# KiCad board chocofly_roundtracks_filledzones.kicad_pcb (continued)
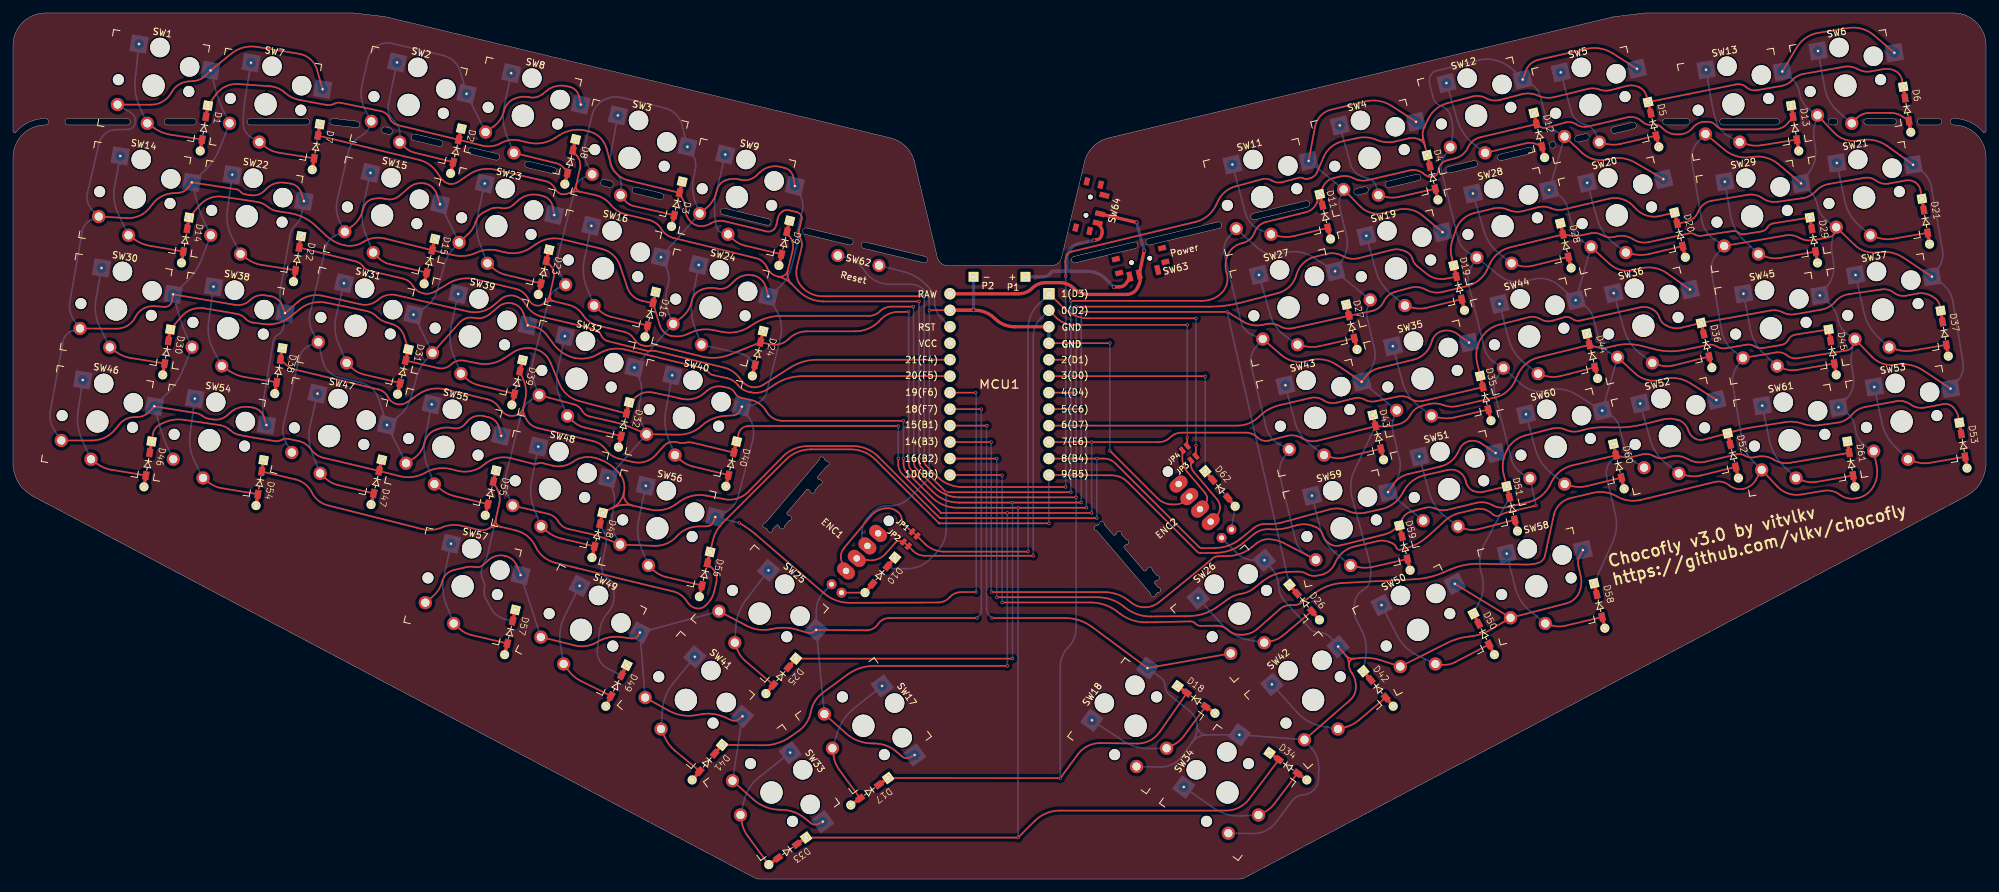
[diagram p0: board, top side]
## Routing (per net, layer and track width the routed paths; a pad name or vN(x,y) marks a point on that pad's centre or on a via; arc(x,y) is an arc through that point) (continued)
col3: length 226.2
  Top w0.25: v1(149.2,72.43) MCU1.17 ; SW41.2 111.87,24.64 arc(111.31,24.4) 110.71,24.48 109.63,24.96 arc(107.89,25.44) 106.08,25.4 105.22,25.25 arc(103.05,25.25) 100.99,25.98 SW41.2 ; SW25.2 113.06,39.03 arc(114.95,38.44) 116.92,38.54 arc(118.93,38.74) 120.93,38.41 122.44,37.95 arc(122.91,37.92) 123.35,38.1 SW25.2 131.5,38.34 arc(132.5,38.58) 133.27,39.28 arc(134.03,39.98) 135.03,40.23 v1(148.51,40.23) ; SW17.2 138.25,18.77 arc(137.6,18.64) 136.98,18.9 136.12,19.64 arc(134.55,20.56) 132.76,20.9 132.32,20.9 arc(130.2,21.31) 128.36,22.44 SW17.2 ; SW49.2 96.27,37.5 arc(95.88,37.15) 95.36,37.08 93.59,37.31 arc(91.76,37.24) 90.07,36.55 arc(88.38,35.93) 86.59,36 SW49.2 ; SW57.2 77.7,48.18 arc(76.96,49.24) 75.8,49.82 75.76,49.82 arc(74.42,49.79) 73.25,49.15 72.48,48.43 arc(71.89,48.11) 71.23,48.08 arc(70.51,48.15) 69.8,48.06 67.96,47.64 arc(66.81,47.01) 66.14,45.88 66.13,45.84 arc(65.56,44.57) 64.64,43.53 SW57.2 ; SW33.2 114.09,12.25 arc(115.93,11.12) 118.05,10.69 118.46,10.68 arc(120.31,10.33) 121.96,9.4 122.93,8.63 arc(123.51,8.39) 124.13,8.51 SW33.2
  Bottom w0.25: SW17.2 SW25.2 123.77,41.4 arc(124.08,42.95) 124.95,44.26 ENC1.S2 ; SW57.2 SW49.2 ; v1(148.51,40.23) 148.86,40.58 arc(149.11,40.96) 149.2,41.41 149.2,72.43 ; SW41.2 SW49.2 SW25.2 ; SW33.2 SW41.2
col4: length 246.4
  Top w0.25: SW42.2 206.01,27.57 arc(206.71,28.53) 206.91,29.7 206.88,30.12 arc(206.72,30.95) 206.33,31.69 206.25,31.79 arc(205.94,32.43) 205.84,33.14 ; SW26.2 SW18.2 166.24,38.87 arc(164.29,39.88) 162.12,40.23 v1(150.83,40.23) ; SW58.2 SW50.2 ; SW58.2 227.71,38.47 arc(226.11,37.74) 224.39,37.38 arc(222.65,37.05) 221,36.4 SW50.2 210.64,33.75 arc(209.07,34.08) 207.47,34.07 206.59,33.97 ; SW58.2 239.34,42.49 arc(240.48,43.08) 241.27,44.09 arc(241.63,45.37) 241.55,46.7 241.19,48.28 arc(241.16,49.13) 241.44,49.94 SW58.2 ; 206.59,33.97 arc(205.92,34.06) 205.37,34.45 ; 206.59,33.97 arc(206.06,33.7) 205.84,33.14 ; 205.37,34.45 SW42.2 ; 205.37,34.45 arc(205.72,33.84) 205.84,33.14 ; v1(150.06,69.89) MCU1.16
  Bottom w0.25: v1(150.83,40.23) 150.42,40.65 arc(150.11,41.11) 150,41.65 150,69.89 ; SW18.2 176.83,31.05 arc(177.32,30.49) 177.5,29.77 arc(177.67,29.04) 178.13,28.45 181.38,25.82 arc(182.18,24.82) 182.47,23.58 ; SW18.2 176.7,17.26 arc(178.67,17.7) 180.2,19 181.69,21.09 ; ENC2.S2 188.55,50.26 arc(189.78,49.43) 191.24,49.14 SW26.2 193.95,47.85 arc(194.69,46.65) 194.99,45.26 arc(195.29,43.89) 196.05,42.7 199.81,38.63 arc(200.54,38.12) 201.42,37.94 arc(202.28,37.76) 202.99,37.23 SW42.2 ; SW34.2 191.09,7.01 arc(193.06,7.47) 194.62,8.77 197.04,12.02 arc(197.79,12.68) 198.75,12.97 198.85,12.98 arc(199.73,13.23) 200.47,13.78 arc(200.97,14.56) 201.15,15.46 201.19,17.09 arc(200.92,18.71) 200.11,20.15 SW42.2 SW34.2 183.87,22.21 ; 183.87,22.21 arc(182.89,22.61) 182.47,23.58 ; 183.87,22.21 arc(182.65,21.91) 181.69,21.09 ; 181.69,21.09 arc(182.28,22.27) 182.47,23.58
col5: length 327.1
  Top w0.25: SW4.2 207.55,103.71 arc(209.24,102.7) 211.21,102.65 213.33,103.17 arc(215.37,103.18) 217.2,102.27 SW19.2 ; SW35.2 222.56,84.01 arc(221.5,84.49) 220.34,84.5 arc(219.33,84.01) 218.69,83.09 218.44,82.39 arc(217.42,80.9) 215.82,80.06 210.4,78.74 arc(209.37,78.31) 208.53,77.57 SW43.2 203.99,79.25 arc(202.05,80.04) 199.95,79.99 199.28,79.83 arc(197.26,79.83) 195.45,80.75 SW27.2 ; SW51.2 226.23,67.16 arc(225.35,67.52) 224.41,67.5 arc(223.56,67.11) 222.96,66.39 222.58,65.65 arc(221.48,64.34) 219.94,63.59 214.97,62.42 arc(213.7,61.85) 212.71,60.86 SW59.2 ; SW59.2 195.88,51.75 arc(194.8,52.18) 193.65,52.38 arc(192.54,52.24) 191.56,51.71 190.85,51.13 arc(189.15,50.16) 187.23,49.79 185.71,49.75 arc(185.22,49.65) 184.79,49.38 arc(184.39,49.03) 183.98,48.69 176.59,42.67 arc(175.61,42.11) 174.51,41.89 arc(173.39,42.04) 172.39,42.55 171.72,43.04 arc(170.01,43.92) 168.11,44.23 166.38,44.22 arc(164.04,44.22) 161.7,44.22 v1(150.8,44.23) ; v1(150.72,67.35) MCU1.15 ; SW4.2 212.44,119.16 arc(210.48,119.93) 208.38,119.86 203.12,118.6 arc(201.48,117.66) 200.62,115.98 SW11.2
  Bottom w0.25: SW51.2 SW59.2 212.99,61.25 arc(213.68,62.92) 213.63,64.74 212.62,68.94 arc(212.52,70.07) 212.77,71.17 SW35.2 SW43.2 209.01,78.29 arc(209.79,80.01) 209.75,81.89 208.66,86.4 arc(208.57,87.37) 208.77,88.33 SW19.2 SW27.2 ; SW27.2 204.83,95.42 arc(205.53,97.23) 205.47,99.17 204.43,103.48 arc(204.36,104.44) 204.61,105.37 SW4.2 SW11.2 ; SW27.2 200.25,95.88 arc(198.28,96.64) 196.16,96.57 195.43,96.39 arc(193.42,96.41) 191.65,97.37 SW11.2 187.38,99.03 arc(186.68,97.71) 186.67,96.21 189.19,85.95 arc(189.87,84.65) 191.07,83.82 SW27.2 191.47,81.96 arc(190.78,80.59) 190.78,79.04 193.1,69.59 arc(193.82,68.1) 195.09,67.05 SW43.2 195.75,64.89 arc(195.19,63.49) 195.23,61.98 197.61,52.25 arc(198.24,50.92) 199.36,49.96 SW59.2 ; v1(150.72,67.35) 150.72,44.36 arc(150.73,44.31) 150.76,44.27 v1(150.8,44.23)
col6: length 388.1
  Top w0.25: v1(234.68,57.57) 230.18,56.51 arc(229.63,56.34) 229.11,56.08 arc(228.62,55.96) 228.14,56.13 227.6,56.54 arc(226.52,57.02) 225.35,57.01 222.86,56.42 arc(221.6,55.93) 220.52,55.13 arc(219.52,54.18) 218.48,53.27 217.69,52.58 arc(216.36,51.67) 214.87,51.07 213.73,50.76 arc(213.37,50.8) 213.15,51.08 arc(212.94,51.46) 212.59,51.72 212.15,51.92 arc(211.28,52.16) 210.39,52.11 arc(209.48,51.91) 208.58,51.7 206.61,51.23 arc(204.96,50.42) 203.83,48.98 203.6,48.51 arc(202.76,47.46) 201.54,46.89 200.9,46.76 arc(200.13,46.75) 199.39,47.01 arc(198.66,47.31) 197.87,47.39 196.49,47.35 arc(194.41,46.94) 192.56,45.91 191.16,44.79 arc(190.25,44.25) 189.24,43.97 arc(188.22,43.7) 187.29,43.19 185.46,41.89 arc(183.48,40.9) 181.3,40.54 175.37,40.47 arc(173.23,40.81) 171.33,41.87 171.16,42 arc(169.26,43.06) 167.11,43.43 v1(151.6,43.43) ; v1(151.58,64.81) MCU1.14 ; SW20.2 250.02,110.4 arc(248.01,111.1) 245.88,111 245.56,110.92 arc(243.56,110.94) 241.81,111.9 SW5.2 ; SW52.2 258.48,76.41 arc(256.5,77.17) 254.39,77.09 253.73,76.93 arc(251.72,76.95) 249.96,77.91 SW36.2 ; SW36.2 254.86,93.37 arc(252.95,94.19) 250.87,94.14 249.73,93.87 arc(247.73,93.88) 245.97,94.84 SW20.2 ; SW12.2 233.11,124.6 arc(233.85,125.68) 235.02,126.28 242.44,127.97 arc(244.55,128.02) 246.53,127.26 SW5.2
  Bottom w0.25: SW44.2 SW20.2 241.9,98.25 arc(240.88,99.21) 240.28,100.49 239.47,103.61 arc(238.89,104.76) 237.91,105.58 SW28.2 SW5.2 237.83,115.18 arc(236.82,116.07) 236.22,117.28 235.34,120.63 arc(234.77,121.77) 233.8,122.59 SW12.2 231.6,124.32 arc(230.49,125.26) 229.22,125.95 229.05,126.01 arc(227.5,126.38) 225.92,126.24 219.31,124.58 arc(218.75,124.3) 218.38,123.79 arc(218.23,123.16) 218.29,122.51 218.82,120.51 arc(219.29,119.66) 220.11,119.13 arc(220.94,118.61) 221.44,117.76 221.59,117.26 arc(221.84,115.79) 221.74,114.3 SW12.2 220.64,111.57 arc(220.13,110.29) 220.17,108.9 222.66,98.73 arc(223.25,97.48) 224.28,96.54 SW28.2 ; SW44.2 241.98,88.48 arc(242.96,87.58) 243.53,86.38 244.33,83.29 arc(244.94,82.06) 245.97,81.15 SW36.2 SW60.2 ; SW44.2 238.17,91.52 arc(236.38,92.46) 234.36,92.47 232.93,92.13 arc(230.87,92.12) 229.02,93.01 SW28.2 ; SW28.2 224.74,94.42 arc(224.23,93.01) 224.31,91.52 226.73,81.79 arc(227.33,80.51) 228.36,79.56 SW44.2 ; SW44.2 228.79,77.53 arc(228.27,76.23) 228.32,74.83 230.87,64.69 arc(231.46,63.45) 232.48,62.52 SW60.2 v1(234.68,57.57) ; SW44.2 232.42,76.25 arc(234.2,75.3) 236.21,75.27 236.72,75.39 arc(238.84,75.47) 240.82,74.72 SW60.2 ; SW60.2 246.01,71.59 arc(246.95,70.82) 247.5,69.74 248.4,66.38 arc(249.01,65.12) 250.05,64.18 SW52.2 ; v1(151.6,43.43) 151.59,43.44 arc(151.59,43.45) 151.58,43.46 v1(151.58,64.81)
col7: length 476.7
  Top w0.25: SW45.2 271.69,81.18 arc(272.56,81.13) 273.33,80.73 arc(274.1,80.32) 274.98,80.28 282.5,81.48 arc(283.17,81.79) 283.57,82.41 SW37.2 286.42,80.5 arc(288.12,79.43) 290.13,79.27 290.19,79.28 arc(292.33,79.24) 294.3,78.41 SW53.2 ; SW29.2 272.07,110.16 arc(270.23,111.16) 268.14,111.32 267.68,111.26 arc(265.58,111.42) 263.72,112.4 SW13.2 ; SW6.2 280.59,115.06 arc(282.28,113.98) 284.29,113.83 284.77,113.91 arc(286.89,113.85) 288.82,112.97 SW21.2 ; SW29.2 273.13,99.21 arc(274.23,99.21) 275.26,98.84 arc(276.29,98.47) 277.39,98.48 279.81,98.93 arc(280.39,99.21) 280.73,99.77 arc(281.03,100.07) 281.45,99.97 283.77,97.74 arc(285.45,96.74) 287.4,96.61 arc(289.42,96.56) 291.27,95.78 SW37.2 ; SW13.2 274.83,128.17 arc(276.26,129.68) 278.19,130.44 282.79,131.18 arc(284.87,131.07) 286.7,130.09 SW6.2 ; SW53.2 287.16,63.64 arc(287.19,62.02) 286.64,60.49 286.61,60.43 arc(285.58,59.31) 284.19,58.72 283.94,58.67 arc(282.65,58.7) 281.47,59.25 arc(280.29,59.8) 278.99,59.85 275.52,59.27 arc(273.52,59.43) 271.83,60.52 SW61.2 268.51,61.49 arc(267.71,60.61) 266.62,60.15 266.61,60.15 arc(265.44,60.19) 264.4,60.71 arc(263.36,61.22) 262.2,61.21 250.83,58.44 arc(248.93,58.35) 247.13,58.98 arc(245.33,59.61) 243.43,59.53 239.99,58.72 arc(238.33,57.79) 237.42,56.11 237.28,55.46 arc(236.8,53.29) 236.32,51.12 236.04,49.85 arc(235.66,49.13) 234.97,48.71 arc(234.08,48.53) 233.18,48.47 225.92,48.6 arc(223.65,48.4) 221.47,47.72 220.38,47.25 arc(218.19,46.53) 215.92,46.21 204.88,45.64 arc(202.7,45.2) 200.74,44.17 198.73,42.71 arc(197.89,42.3) 196.97,42.21 arc(196.05,42.1) 195.26,41.64 191.74,38.56 arc(190.63,37.89) 189.36,37.66 189.03,37.66 arc(188.07,37.84) 187.25,38.36 arc(186.43,38.88) 185.48,39.05 182.95,39.03 arc(182.53,39.12) 182.19,39.38 arc(181.85,39.63) 181.43,39.71 174.67,39.57 arc(172.51,39.89) 170.58,40.9 170.11,41.25 arc(168.17,42.28) 166.01,42.63 v1(152.4,42.63) ; MCU1.13 152.44,62.27
  Bottom w0.25: SW21.2 294.05,109.15 arc(295.07,108.02) 295.61,106.6 297.29,96.9 arc(297.24,95.43) 296.61,94.1 SW37.2 297.12,91.85 arc(298.28,90.65) 298.87,89.09 300.46,79.62 arc(300.37,78.11) 299.64,76.8 SW53.2 ; SW13.2 259.57,113.59 arc(258.77,112.21) 258.66,110.61 260.2,101.56 arc(260.85,99.91) 262.09,98.64 SW29.2 262.55,96.33 arc(261.81,94.97) 261.73,93.43 263.27,84.45 arc(263.89,82.79) 265.07,81.47 SW45.2 265.64,79.01 arc(265.04,77.63) 264.99,76.12 266.42,67.59 arc(267,65.86) 268.09,64.39 SW61.2 ; v1(152.4,42.63) v1(152.4,62.23) ; SW53.2 285.47,66.73 arc(284.49,67.67) 283.96,68.92 283.74,70 arc(283.26,71.13) 282.38,71.99 SW61.2 282.59,74.13 arc(283.46,75.68) 283.57,77.46 283.31,78.98 arc(283.23,80.4) 283.44,81.81 SW37.2 282.62,84.04 arc(281.67,85.01) 281.16,86.28 281.14,86.38 arc(280.62,87.76) 279.67,88.9 SW45.2 279.6,91.49 arc(280.41,93.11) 280.51,94.93 280.26,96.57 arc(280.22,97.89) 280.49,99.19 SW21.2 279.52,101.48 arc(278.57,102.48) 278.06,103.77 arc(277.58,105.09) 276.69,106.18 SW29.2 276.77,108.98 arc(277.62,110.83) 277.69,112.86 277.51,113.93 arc(277.45,115.21) 277.67,116.48 SW6.2 276.81,118.62 arc(275.83,119.65) 275.3,120.98 275.23,121.33 arc(274.73,122.61) 273.79,123.62 SW13.2
encA: length 122.7
  Top w0.25: ENC1.A 127.76,48.74 arc(127.57,49.93) 128.05,51.03 132.16,55.95 arc(133.06,56.71) 134.17,57.1 134.46,57.15 arc(135.33,57.11) 136.12,56.73 136.34,56.57 arc(136.74,56.1) 136.94,55.51 arc(137.12,54.92) 137.51,54.43 JP1.1 ; 156.4,50.47 143.43,50.47 arc(141.84,50.78) 140.5,51.68 JP1.2 ; JP3.2 182.26,66.8 arc(182.26,66.81) 182.26,66.81 v1(182.26,66.81) ; 159.69,90.21 161.88,88.02 arc(163.64,86.84) 165.73,86.43 v1(182.27,86.43)
  Bottom w0.25: v1(156.41,50.46) 156.4,84.75 arc(156.82,86.83) 157.99,88.6 MCU1.1 ; v1(182.26,66.81) 182.26,86.43
encB: length 107.6
  Top w0.25: JP2.1 136.73,52.09 arc(136.31,52.08) 135.96,51.86 134.47,50.16 arc(133.2,49.3) 131.68,49.16 ENC1.B ; MCU1.2 160.74,86.54 arc(162,85.7) 163.47,85.41 v1(180.93,85.41) ; JP4.2 180.93,68.07 arc(180.93,68.07) v1(180.93,68.07) ; v1(157.2,49.83) 140.49,49.83 arc(139.52,50.02) 138.69,50.58 JP2.2
  Bottom w0.25: MCU1.2 158.41,86.47 arc(157.51,85.14) 157.2,83.56 v1(157.2,49.83) ; v1(180.93,85.41) v1(180.93,68.07)
row0: length 372.6
  Top w0.25: v1(140.4,89.83) 124.78,89.83 arc(123.08,90.18) 121.64,91.16 arc(120.81,92.62) 120.78,94.29 121.51,97.37 arc(121.55,98.07) 121.33,98.74 arc(121.11,99.41) 121.14,100.11 121.52,101.7 arc(121.52,102.07) 121.37,102.4 arc(121.09,102.66) 120.75,102.81 119.58,103.09 arc(118.99,103.09) 118.45,102.83 arc(118.05,102.36) 117.82,101.79 117.63,100.85 arc(117.43,100.38) 117.08,100.01 arc(116.61,99.81) 116.1,99.83 109.67,101.38 arc(108.56,101.43) 107.52,101.07 107.36,100.98 arc(106.47,100.67) 105.53,100.7 arc(104.68,101.09) 104.06,101.79 103.81,102.21 arc(103.64,102.68) 103.64,103.17 arc(103.66,103.68) 103.51,104.16 D3.1 94.79,107.7 arc(93.08,108.64) 92.09,110.31 91.45,112.63 arc(90.46,114.3) 88.75,115.25 88.3,115.36 arc(86.19,115.43) 84.22,114.68 83.51,114.22 arc(81.53,113.46) 79.42,113.52 78,113.84 arc(76.55,113.9) 75.18,113.43 arc(73.81,112.97) 72.37,113.04 D2.1 59.31,116.21 arc(58.53,116.6) 58.02,117.29 arc(57.51,117.98) 56.73,118.35 50.56,119.65 arc(49.99,119.67) 49.44,119.49 arc(48.9,119.31) 48.32,119.32 44.16,120.09 arc(42.94,120.49) 41.89,121.22 arc(40.83,121.9) 39.61,122.2 34.71,122.55 arc(32.8,122.2) 31.3,120.97 D1.1 ; v1(140.4,64.83) 140.4,64.43 arc(140.47,64.06) 140.68,63.75 142.41,62.03 arc(144.17,60.85) 146.26,60.43 v1(162.2,60.43) ; 216.76,113.95 216.66,114 arc(215.87,114.23) 215.06,114.18 213.05,113.7 arc(211.55,113.59) 210.1,113.94 arc(208.64,114.31) 207.14,114.22 204.95,113.75 arc(203.13,112.86) 201.92,111.25 200.93,108.94 arc(200.52,108.37) 199.89,108.04 199.53,107.94 arc(199.16,107.91) 198.8,108.01 arc(198.44,108.12) 198.07,108.09 195.56,107.42 arc(194.76,107.37) 194.01,107.65 arc(193.26,107.92) 192.46,107.87 191.76,107.68 arc(190.23,107.27) 188.7,106.86 188.37,106.77 arc(186.78,105.95) 185.68,104.53 185.34,103.83 arc(184.06,102.21) 182.2,101.3 163.12,96.72 arc(162.68,96.5) 162.36,96.11 arc(162.19,95.61) 162.14,95.09 v1(162.2,92.93) ; 216.76,113.95 arc(217.13,114) 217.25,114.35 ; 216.76,113.95 arc(217.29,113.53) 217.59,112.91 ; 217.59,112.91 D4.1 ; 217.59,112.91 217.25,114.35 ; 217.25,114.35 arc(217.2,115.06) 217.39,115.74 218.01,117.06 arc(219.25,118.68) 221.06,119.62 224.87,120.62 arc(225.94,120.69) 226.97,120.36 arc(227.99,120.03) 229.06,120.09 232.47,120.97 arc(233.74,121.08) 234.98,120.76 arc(236.22,120.43) 237.5,120.53 242.64,121.8 arc(243.53,121.88) 244.41,121.7 arc(245.29,121.53) 246.18,121.62 248.63,122.25 arc(249.6,122.33) 250.54,122.06 250.6,122.03 arc(251.3,121.48) 251.7,120.69 D5.1 265.47,122.49 arc(266.32,122.46) 267.07,122.05 arc(267.82,121.64) 268.67,121.6 272.5,122.26 arc(273.42,122.58) 274.18,123.18 arc(274.94,123.78) 275.86,124.1 282.17,125.22 arc(283.23,125.22) 284.22,124.85 arc(285.21,124.49) 286.26,124.5 288.21,124.85 arc(289.14,124.86) 290.02,124.57 arc(290.7,123.99) 291.05,123.18 D6.1 ; v1(162.2,80.05) MCU1.5
  Bottom w0.25: v1(162.2,92.93) v1(162.2,80.05) v1(162.2,60.43) ; v1(140.4,64.83) v1(140.4,89.83)
row1: length 385.6
  Top w0.25: 86.76,106.92 87.35,109.51 arc(87.35,110.52) 86.93,111.43 D8.1 ; 86.76,106.92 arc(86.87,106.3) 87.38,105.94 ; 86.76,106.92 arc(86.43,106.25) 85.83,105.8 ; 85.83,105.8 85.6,105.7 arc(85.06,105.57) 84.51,105.59 arc(84.01,105.81) 83.65,106.21 83.47,106.53 arc(82.87,107.2) 82.06,107.57 74.28,109.35 arc(72.18,109.39) 70.23,108.59 68.56,107.45 arc(67.88,107.17) 67.15,107.18 arc(66.48,107.48) 65.96,108.01 65.36,108.9 arc(64.12,110.15) 62.52,110.87 D7.1 ; 85.83,105.8 arc(86.59,105.99) 87.38,105.94 ; D13.1 273.46,116.52 arc(272.53,115.8) 271.39,115.55 263.69,115.55 arc(262.98,115.71) 262.42,116.14 arc(261.85,116.58) 261.15,116.74 260.75,116.73 arc(259.69,116.49) 258.83,115.82 258.79,115.77 arc(257.89,115.06) 256.77,114.79 256.34,114.79 arc(255.23,114.99) 254.29,115.61 254.04,115.85 arc(253.37,116.24) 252.6,116.27 arc(251.82,116.29) 251.13,116.65 250.85,116.89 arc(249.85,117.41) 248.73,117.41 242.67,116 arc(241.75,115.98) 240.89,116.32 arc(240.03,116.66) 239.11,116.6 236.32,115.82 arc(235.76,115.8) 235.24,116.02 arc(234.72,116.25) 234.15,116.24 226.12,114.35 arc(224.95,113.77) 224.16,112.73 arc(223.37,111.69) 222.21,111.09 220.93,110.77 arc(220.12,110.3) 219.68,109.47 219.6,109.09 arc(219.32,108.56) 218.81,108.26 arc(218.19,108.24) 217.63,108.5 217.25,108.79 arc(216.28,109.25) 215.21,109.24 208.7,107.73 arc(207.61,107.68) 206.57,108.01 arc(205.52,108.35) 204.43,108.28 203.46,108.04 arc(202.48,107.54) 201.83,106.65 D11.1 200.92,104.33 arc(200.26,103.34) 199.21,102.79 193.09,101.28 arc(191.99,100.7) 191.31,99.67 arc(190.62,98.64) 189.52,98.06 189.34,98.01 arc(188.11,97.41) 187.25,96.35 arc(186.85,95.01) 186.95,93.61 187.04,93.29 arc(187.03,91.72) 186.25,90.37 arc(184.88,89.45) 183.26,89.13 v1(163,89.13) ; v1(139.6,89.03) 124.92,89.03 arc(122.83,89.45) 121.07,90.63 119.96,91.73 ; MCU1.6 v1(163,77.51) v1(183.7,77.51) ; D9.1 119.82,98.83 arc(120.17,97.88) 120.13,96.86 119.38,93.8 ; 119.96,91.73 arc(119.4,92.69) 119.38,93.8 ; 119.96,91.73 arc(119,92.45) 117.88,92.87 ; 87.38,105.94 89.69,105.44 arc(91.02,104.9) 92.09,103.95 arc(93.16,103) 94.49,102.44 98.02,101.59 arc(99.1,101.08) 99.9,100.2 arc(100.7,99.32) 101.78,98.82 114.46,95.71 arc(115.49,95.19) 116.18,94.27 116.18,94.26 arc(116.87,93.36) 117.88,92.87 ; v1(139.6,64.83) 139.6,64.33 arc(139.69,63.87) 139.95,63.48 v1(143.8,59.63) v1(163,59.63) ; 119.38,93.8 arc(118.82,93.03) 117.88,92.87
  Bottom w0.25: v1(163,59.63) 163,77.51 ; v1(163,89.13) v1(163,77.51) ; D10.1 135.17,48.01 arc(135.6,47.88) 136.05,47.83 137.71,47.83 arc(139.67,48.22) 141.33,49.33 142.22,50.23 arc(143.39,52) 143.8,54.09 v1(143.8,59.63) ; D62.1 183.7,77.51 ; v1(139.6,64.83) v1(139.6,89.03)
row2: length 454.5
  Top w0.25: D18.1 176.67,22.66 arc(175.16,21.34) 173.2,20.88 167.57,20.96 arc(165.6,20.51) 164.05,19.2 v1(161.37,15.55) D17.1 ; D19.1 220.76,92.54 arc(219.21,92.59) 217.82,93.29 216.35,94.47 arc(215.9,94.98) 215.62,95.6 arc(215.32,96.19) 214.81,96.61 214.49,96.77 arc(213.51,97.06) 212.49,96.99 207.32,95.7 arc(206.07,95.63) 204.88,96.03 arc(203.69,96.44) 202.43,96.37 200.58,95.91 arc(198.84,94.96) 197.8,93.29 197.7,92.96 arc(196.65,91.28) 194.92,90.32 189.06,88.81 arc(186.78,88.38) 184.47,88.23 v1(163.8,88.23) ; D21.1 293.92,106.13 arc(293.65,106.84) 293.12,107.38 arc(292.42,107.67) 291.66,107.69 288.94,107.19 arc(287.97,107.22) 287.1,107.63 arc(286.23,108.05) 285.26,108.08 279.8,107.15 arc(278.69,106.76) 277.76,106.03 arc(276.83,105.31) 275.71,104.95 271.85,104.4 arc(270.65,104.45) 269.56,104.95 arc(268.47,105.44) 267.27,105.47 261.77,104.56 arc(260.52,104.01) 259.68,102.93 259.62,102.79 arc(258.87,101.81) 257.76,101.28 D20.1 ; D20.1 253.76,102.2 arc(251.79,102.25) 250.11,103.26 249.57,103.82 arc(247.89,104.83) 245.92,104.88 238.95,103.21 arc(237.95,103.14) 236.97,103.4 arc(235.99,103.65) 234.99,103.56 232.66,102.96 arc(231.51,102.86) 230.39,103.15 arc(229.26,103.45) 228.1,103.37 225.14,102.65 arc(223.39,101.72) 222.31,100.06 221.77,98.44 arc(221.54,97.16) 221.67,95.87 D19.1 ; D14.1 28.74,103.84 arc(30.37,104.98) 32.34,105.18 37.67,104.36 arc(38.5,104.12) 39.23,103.65 arc(39.96,103.18) 40.79,102.93 42.64,102.65 arc(44.75,101.99) 46.58,100.74 48.28,99.16 arc(49.56,98.25) 51.04,97.7 arc(52.56,97.65) 53.98,98.19 54.08,98.25 arc(55.61,98.81) 57.23,98.75 D15.1 67.92,96.17 arc(69.65,96.06) 71.32,96.52 arc(72.99,96.98) 74.72,96.86 75.82,96.6 arc(77.91,96.54) 79.84,97.35 80.59,97.87 arc(82.52,98.68) 84.61,98.62 90.71,97.14 arc(92.46,96.2) 93.54,94.54 94.67,91.16 arc(95.53,89.85) 96.92,89.14 D16.1 99.67,85.33 arc(100.32,84.3) 101.4,83.73 arc(102.7,83.66) 103.95,84.01 104.39,84.21 arc(106.09,84.7) 107.85,84.63 109.31,84.33 arc(111.44,84.32) 113.42,85.11 114.15,85.57 arc(116.17,86.49) 118.37,86.81 131.87,86.81 arc(132.8,86.99) 133.59,87.52 arc(134.38,88.05) 135.31,88.23 v1(138.75,88.23) ; v1(163.8,74.97) MCU1.7 ; v1(138.8,64.83) 138.8,64.23 arc(138.91,63.68) 139.23,63.21 142.01,60.43 arc(143.77,59.25) 145.86,58.83 v1(163.8,58.83)
  Bottom w0.25: v1(161.37,15.55) 161.37,32.78 arc(161.69,34.37) 162.59,35.72 arc(163.49,37.06) 163.8,38.65 v1(163.8,58.83) v1(163.8,74.97) v1(163.8,88.23) ; v1(138.75,88.23) v1(138.8,64.83)
row3: length 417.1
  Top w0.25: D23.1 82.86,94.5 arc(83.3,93.66) 83.31,92.71 82.72,90.09 ; D29.1 271.2,101.06 arc(270.69,100.86) 270.32,100.45 arc(269.95,100.04) 269.44,99.83 266.72,99.39 arc(266.26,99.42) 265.86,99.64 arc(265.46,99.86) 265,99.89 260.1,99.16 arc(259.61,99.17) 259.15,99.35 arc(258.69,99.53) 258.2,99.52 252.06,98.18 arc(250.78,98.16) 249.6,98.63 arc(248.41,99.11) 247.14,99.07 246.67,98.97 arc(245.75,98.94) 244.88,99.25 arc(244.01,99.56) 243.09,99.54 241.79,99.25 arc(240.81,99.13) 239.82,99.2 D28.1 230.68,97.38 arc(228.83,96.46) 227.56,94.83 227.13,93.93 arc(225.85,92.31) 224,91.4 220.25,90.49 arc(218.96,90.42) 217.73,90.83 arc(216.51,91.23) 215.23,91.13 212.99,90.51 arc(211.92,89.95) 211.2,89 arc(210.46,88.06) 209.39,87.56 D27.1 197.18,84.9 arc(196.14,84.88) 195.17,85.23 arc(194.2,85.58) 193.16,85.55 192.59,85.43 arc(191,85.39) 189.52,85.94 v1(187.09,87.43) v1(164.6,87.43) ; v1(164.6,58.03) 145.66,58.03 arc(143.57,58.45) 141.81,59.63 138.5,62.94 arc(138.13,63.48) 138,64.13 v1(138,64.83) ; D25.1 154,33.98 arc(154,33.98) v1(154,33.98) ; v1(138,87.43) 136.45,87.43 arc(135.02,87.15) 133.81,86.34 133.4,85.93 arc(131.73,84.82) 129.77,84.43 122.33,84.43 arc(120.81,84.12) 119.52,83.26 119.51,83.25 arc(118.24,82.49) 116.76,82.42 D24.1 110.48,80.84 arc(108.34,80.35) 106.14,80.54 99.17,82.27 arc(98.7,82.32) 98.25,82.23 arc(97.79,82.15) 97.32,82.19 96.99,82.27 arc(96.29,82.59) 95.77,83.15 95.69,83.28 arc(95.07,83.94) 94.24,84.33 90.06,85.33 arc(88.8,85.91) 87.84,86.92 arc(86.88,87.93) 85.61,88.51 83.35,89.07 ; 81.86,88.76 81.71,88.65 arc(81.15,88.4) 80.54,88.42 arc(79.98,88.69) 79.57,89.15 79.29,89.63 arc(78.52,90.48) 77.49,90.96 71.25,92.45 arc(69.12,92.54) 67.12,91.82 65.04,90.57 arc(64.14,90.25) 63.18,90.28 arc(62.31,90.68) 61.66,91.39 61.64,91.42 arc(60.96,92.15) 60.05,92.56 55,93.74 arc(54.39,94) 53.92,94.46 arc(53.44,94.93) 52.84,95.19 D22.1 ; 81.86,88.76 arc(82.57,89.08) 83.35,89.07 ; 81.86,88.76 arc(82.41,89.35) 82.72,90.09 ; v1(164.6,72.43) MCU1.8 ; 82.72,90.09 arc(82.82,89.45) 83.35,89.07
  Bottom w0.25: v1(154,58.03) 154,34 arc(154,33.99) 154.01,33.98 154.01,33.98 ; v1(164.6,58.03) v1(164.6,72.43) v1(164.6,87.43) ; v1(138,64.83) v1(138,87.43) ; D26.1 187.08,87.43
row4: length 458
  Top w0.25: v1(137.2,70.63) 118.59,70.63 arc(117.15,71.02) 116.09,72.08 arc(115.05,73.24) 113.63,73.88 112.18,74.19 arc(111.63,74.45) 111.24,74.93 arc(110.85,75.41) 110.29,75.68 109.47,75.87 arc(108.09,75.86) 106.87,75.21 106.52,74.9 arc(104.92,74.05) 103.11,74.02 98.63,74.99 arc(97.29,74.98) 96.08,74.39 D32.1 ; MCU1.9 v1(165.4,69.89) 188.68,69.89 arc(190.45,70.25) 191.95,71.25 arc(193.44,72.37) 195.18,73.05 199.91,74.16 arc(200.96,74.19) 201.93,73.79 arc(202.9,73.39) 203.95,73.43 206.68,74.12 arc(207.51,74.16) 208.29,73.89 arc(209.08,73.62) 209.91,73.64 213.39,74.38 arc(214.4,74.39) 215.35,74.03 arc(216.3,73.67) 217.31,73.7 D35.1 ; D30.1 25.93,86.68 arc(27.55,87.8) 29.51,87.97 34.54,87.1 arc(35.21,86.87) 35.77,86.42 arc(36.32,85.99) 37,85.77 38.69,85.55 arc(40.8,85.69) 42.68,86.65 44.27,87.91 arc(46.14,88.82) 48.21,88.85 54.44,87.57 arc(55.3,87.26) 56.05,86.7 arc(56.78,86.14) 57.64,85.78 58.27,85.6 arc(59.53,84.88) 60.29,83.65 D31.1 ; D31.1 65.5,78.76 arc(66.57,78.78) 67.5,79.31 arc(68.42,79.86) 69.5,79.91 71.63,79.49 arc(73.75,79.49) 75.72,80.3 77,81.15 arc(78.6,81.79) 80.32,81.74 arc(81.83,80.97) 82.82,79.61 84.2,76.31 arc(85.39,74.64) 87.2,73.69 D32.1 ; v1(137.2,64.83) 137.2,64.03 arc(137.35,63.29) 137.77,62.67 141.61,58.83 arc(143.37,57.65) 145.46,57.23 v1(154.9,57.23) v1(165.4,57.23) ; D35.1 225.6,79.58 arc(225.52,81.46) 226.13,83.25 arc(227.37,84.66) 229.05,85.47 233.5,86.59 arc(234.47,86.63) 235.38,86.3 arc(236.29,85.99) 237.25,86.07 239.03,86.61 arc(239.66,86.64) 240.23,86.37 arc(240.8,86.08) 241.44,86.08 250.74,88.13 arc(251.69,88.16) 252.59,87.83 252.75,87.73 arc(253.33,87.22) 253.68,86.54 arc(254.04,85.87) 254.63,85.39 254.92,85.24 arc(255.96,84.92) 257.04,84.99 D36.1 270.85,87.65 arc(271.79,87.65) 272.69,87.35 arc(273.59,87.04) 274.53,87.05 278.66,87.78 arc(279.81,88.2) 280.75,88.98 arc(281.69,89.76) 282.84,90.15 287.92,90.89 arc(288.91,90.83) 289.81,90.38 arc(290.7,89.95) 291.68,89.92 293.45,90.25 arc(294.61,90.25) 295.69,89.83 296.04,89.6 arc(296.58,89.08) 296.87,88.39 D37.1 ; D33.1 154.87,6.39 arc(154.87,6.39) 154.87,6.39 v1(154.87,6.39) 157.44,8.96 arc(159.2,10.13) 161.29,10.55 186.91,10.55 arc(188.9,11.02) 190.47,12.32 D34.1
  Bottom w0.25: v1(165.4,69.89) v1(165.4,57.23) ; 154.86,57.19 154.86,6.39 arc(154.86,6.39) 154.86,6.39 ; v1(137.2,64.83) v1(137.2,70.63)
row5: length 402.5
  Top w0.25: D38.1 41.94,79.4 arc(42.73,78.83) 43.64,78.49 56.31,75.46 arc(57.17,75.05) 57.77,74.33 57.82,74.23 arc(58.36,73.58) 59.12,73.21 arc(59.97,73.19) 60.74,73.52 62.47,74.73 arc(64.4,75.54) 66.49,75.5 73.1,73.95 arc(74.15,73.48) 74.94,72.65 75.16,72.32 arc(75.69,71.77) 76.4,71.45 76.46,71.44 arc(77.17,71.41) 77.85,71.64 ; 78.85,71.34 79.08,70.91 arc(79.82,70.02) 80.86,69.52 89.41,67.49 arc(90.52,67) 91.38,66.15 arc(92.24,65.3) 93.35,64.81 95.49,64.29 arc(97.42,64.34) 99.05,65.39 100.26,66.73 arc(101.09,67.28) 102.1,67.36 102.67,67.25 arc(103.19,67.21) 103.71,67.27 arc(104.22,67.33) 104.73,67.26 D40.1 ; 78.85,71.34 arc(78.63,72.03) 78.66,72.74 ; 78.85,71.34 arc(78.41,71.7) 77.85,71.64 ; v1(166.2,56.43) v1(153.2,56.43) 143,56.43 137.04,62.4 arc(136.57,63.1) 136.4,63.93 v1(136.4,64.83) ; v1(136.4,69.83) 113.32,69.83 arc(112.35,69.5) 111.79,68.64 D40.1 ; D39.1 78.69,76.87 arc(79.04,75.45) 78.94,73.99 78.66,72.74 ; MCU1.10 v1(166.2,67.35) 176.56,67.35 arc(177.51,67.54) 178.31,68.08 arc(179.12,68.62) 180.07,68.81 189.96,68.81 arc(190.93,68.62) 191.76,68.06 arc(192.57,67.59) 193.52,67.59 196.23,68.29 arc(197.47,68.36) 198.64,67.94 arc(199.81,67.51) 201.06,67.57 D43.1 210.94,69.76 arc(211.94,69.79) 212.93,69.96 213.45,70.09 arc(214.53,70.61) 215.31,71.53 arc(216.09,72.45) 217.17,72.97 218.21,73.22 arc(219.3,73.31) 220.37,73.06 arc(221.43,72.81) 222.53,72.89 228.3,74.22 arc(230.15,75.12) 231.41,76.74 231.92,77.85 arc(233.18,79.48) 235.02,80.4 D44.1 243.83,82.03 arc(244.75,81.86) 245.68,81.94 246.84,82.21 arc(248.93,82.45) 251.01,82.16 252.93,81.66 arc(255.18,81.35) 257.43,81.55 261.16,82.33 arc(261.87,82.34) 262.54,82.08 arc(263.2,81.82) 263.91,81.81 267.09,82.37 arc(267.75,82.36) 268.36,82.11 arc(268.97,81.87) 269.63,81.85 272.46,82.32 arc(273.1,82.6) 273.55,83.13 arc(274,83.66) 274.64,83.93 D45.1 ; 78.66,72.74 arc(78.37,72.1) 77.85,71.64 ; v1(153.21,32.85) 153.21,32.85 arc(153.2,32.86) 153.19,32.86 132.7,32.86 arc(130.52,32.51) 128.57,31.5 124.77,28.71 arc(123.57,27.41) 122.93,25.75 arc(122.28,24.11) 121.06,22.83 119.76,21.92 arc(117.78,20.94) 115.6,20.62 D41.1
  Bottom w0.25: 153.2,32.86 v1(153.2,56.43) ; D43.1 206.71,63.05 arc(206.14,60.96) 206.33,58.81 208.97,49.07 arc(209.19,47.74) 209.16,46.39 209.12,46.09 arc(208.77,45.19) 208.04,44.55 arc(207.27,43.93) 206.83,43.04 206.72,42.61 arc(206.62,41.18) 207.04,39.81 207.8,38.32 arc(208.45,36.32) 208.42,34.2 D42.1 ; v1(136.4,69.83) v1(136.4,64.83) ; v1(166.2,56.43) v1(166.2,67.35)
row6: length 390.1
  Top w0.25: D46.1 21.53,68.54 arc(21.93,69.46) 22.7,70.09 23.19,70.32 arc(24.71,70.79) 26.29,70.79 31.89,69.96 arc(32.72,69.7) 33.44,69.21 arc(34.16,68.71) 34.99,68.43 37.11,68.04 arc(38.38,67.82) 39.66,67.62 40.38,67.51 arc(40.91,67.52) 41.42,67.7 arc(41.92,67.87) 42.44,67.85 44.01,67.51 arc(45.09,67.05) 45.93,66.23 arc(46.76,65.41) 47.83,64.93 D47.1 59.6,62.09 arc(61.61,61.98) 63.52,62.63 arc(65.43,63.29) 67.44,63.19 68.55,62.92 arc(70.6,62.89) 72.45,63.77 72.79,64.04 arc(74.64,64.91) 76.69,64.87 80.02,64.03 arc(80.43,63.99) 80.83,64.06 arc(81.23,64.14) 81.64,64.1 83.13,63.73 arc(84.79,63.68) 86.32,64.33 arc(87.84,64.99) 89.51,64.95 89.7,64.9 arc(91.49,64.18) 93,62.99 93.27,62.71 arc(94.08,61.31) 94.15,59.69 94.12,59.57 ; 94.12,59.57 arc(94.36,58.31) 95.41,57.58 ; 94.12,59.57 arc(93.5,58.18) 92.33,57.2 ; D53.1 299.75,71.19 arc(299.48,71.98) 299,72.67 298.96,72.71 arc(298.26,73.15) 297.43,73.21 294.56,72.67 arc(293.42,72.69) 292.37,73.16 arc(291.33,73.63) 290.18,73.66 285.39,72.77 arc(284.24,72.33) 283.29,71.53 arc(282.34,70.75) 281.18,70.36 278.25,69.94 arc(276.96,69.91) 275.7,70.2 arc(274.44,70.48) 273.14,70.44 267.8,69.6 arc(266.58,69.37) 265.38,69.06 D52.1 260.51,67.73 arc(259.79,67.69) 259.11,67.92 arc(258.55,68.39) 258.17,69.02 258.03,69.39 arc(257.43,70.27) 256.5,70.78 256.46,70.79 arc(255.31,70.96) 254.15,70.83 251.31,70.12 arc(249.03,69.71) 246.72,69.61 245.39,69.64 arc(243.67,69.56) 241.97,69.23 241.39,69.07 arc(240.31,68.97) 239.26,69.24 arc(238.2,69.52) 237.12,69.43 233,68.37 arc(231.28,67.49) 230.11,65.96 230,65.72 arc(229.56,64.04) 229.7,62.31 D51.1 226.63,59.69 arc(225.78,59.63) 224.97,59.84 arc(224.31,60.33) 223.93,61.05 223.82,61.43 arc(223.43,62.22) 222.77,62.8 arc(221.93,63.09) 221.05,63.06 217.47,62.23 arc(215.59,61.34) 214.25,59.75 214.11,59.5 arc(212.77,57.91) 210.89,57.03 208.36,56.47 arc(206.97,56.39) 205.62,56.76 arc(204.28,57.11) 202.9,56.98 195.45,54.94 arc(194.34,54.74) 193.22,54.74 arc(192.15,54.63) 191.2,54.12 189.12,52.45 arc(187.27,51.4) 185.19,51.02 183.23,50.98 arc(182.99,51.03) 182.79,51.16 arc(182.6,51.33) 182.42,51.51 169.87,64.06 arc(169.04,64.62) 168.06,64.81 v1(167,64.81) MCU1.11 ; 92.33,57.2 D48.1 ; 92.33,57.2 arc(93.84,57.66) 95.41,57.58 ; 95.41,57.58 98.12,56.96 arc(100.21,56.93) 102.13,57.76 102.81,58.24 arc(104.74,59.09) 106.84,59.1 109.59,58.55 arc(111.59,58.65) 113.29,59.69 118.62,65.12 arc(120.38,66.31) 122.45,66.73 129.45,66.73 arc(131.53,66.32) 133.29,65.14 142.8,55.63 v1(167,55.63)
  Bottom w0.25: D48.1 91.02,53.54 arc(91.37,52.33) 91.3,51.08 90.73,48.58 arc(90.68,47.92) 90.84,47.27 arc(91.19,46.71) 91.71,46.3 91.87,46.22 arc(92.43,45.68) 92.64,44.94 92.64,43.74 arc(92.38,42.28) 91.61,41 arc(90.8,39.73) 90.39,38.28 90.04,35.48 arc(90.38,33.69) 91.69,32.42 D49.1 ; D50.1 225.96,42.76 arc(226.52,44.65) 226.38,46.61 226.18,47.4 arc(226.04,49.54) 226.69,51.58 D51.1 ; v1(167,64.81) v1(167,55.63)
